# KiCad board Rogelio Pineda - connect 5 AMLDC-2044B.kicad_pcb (continued)
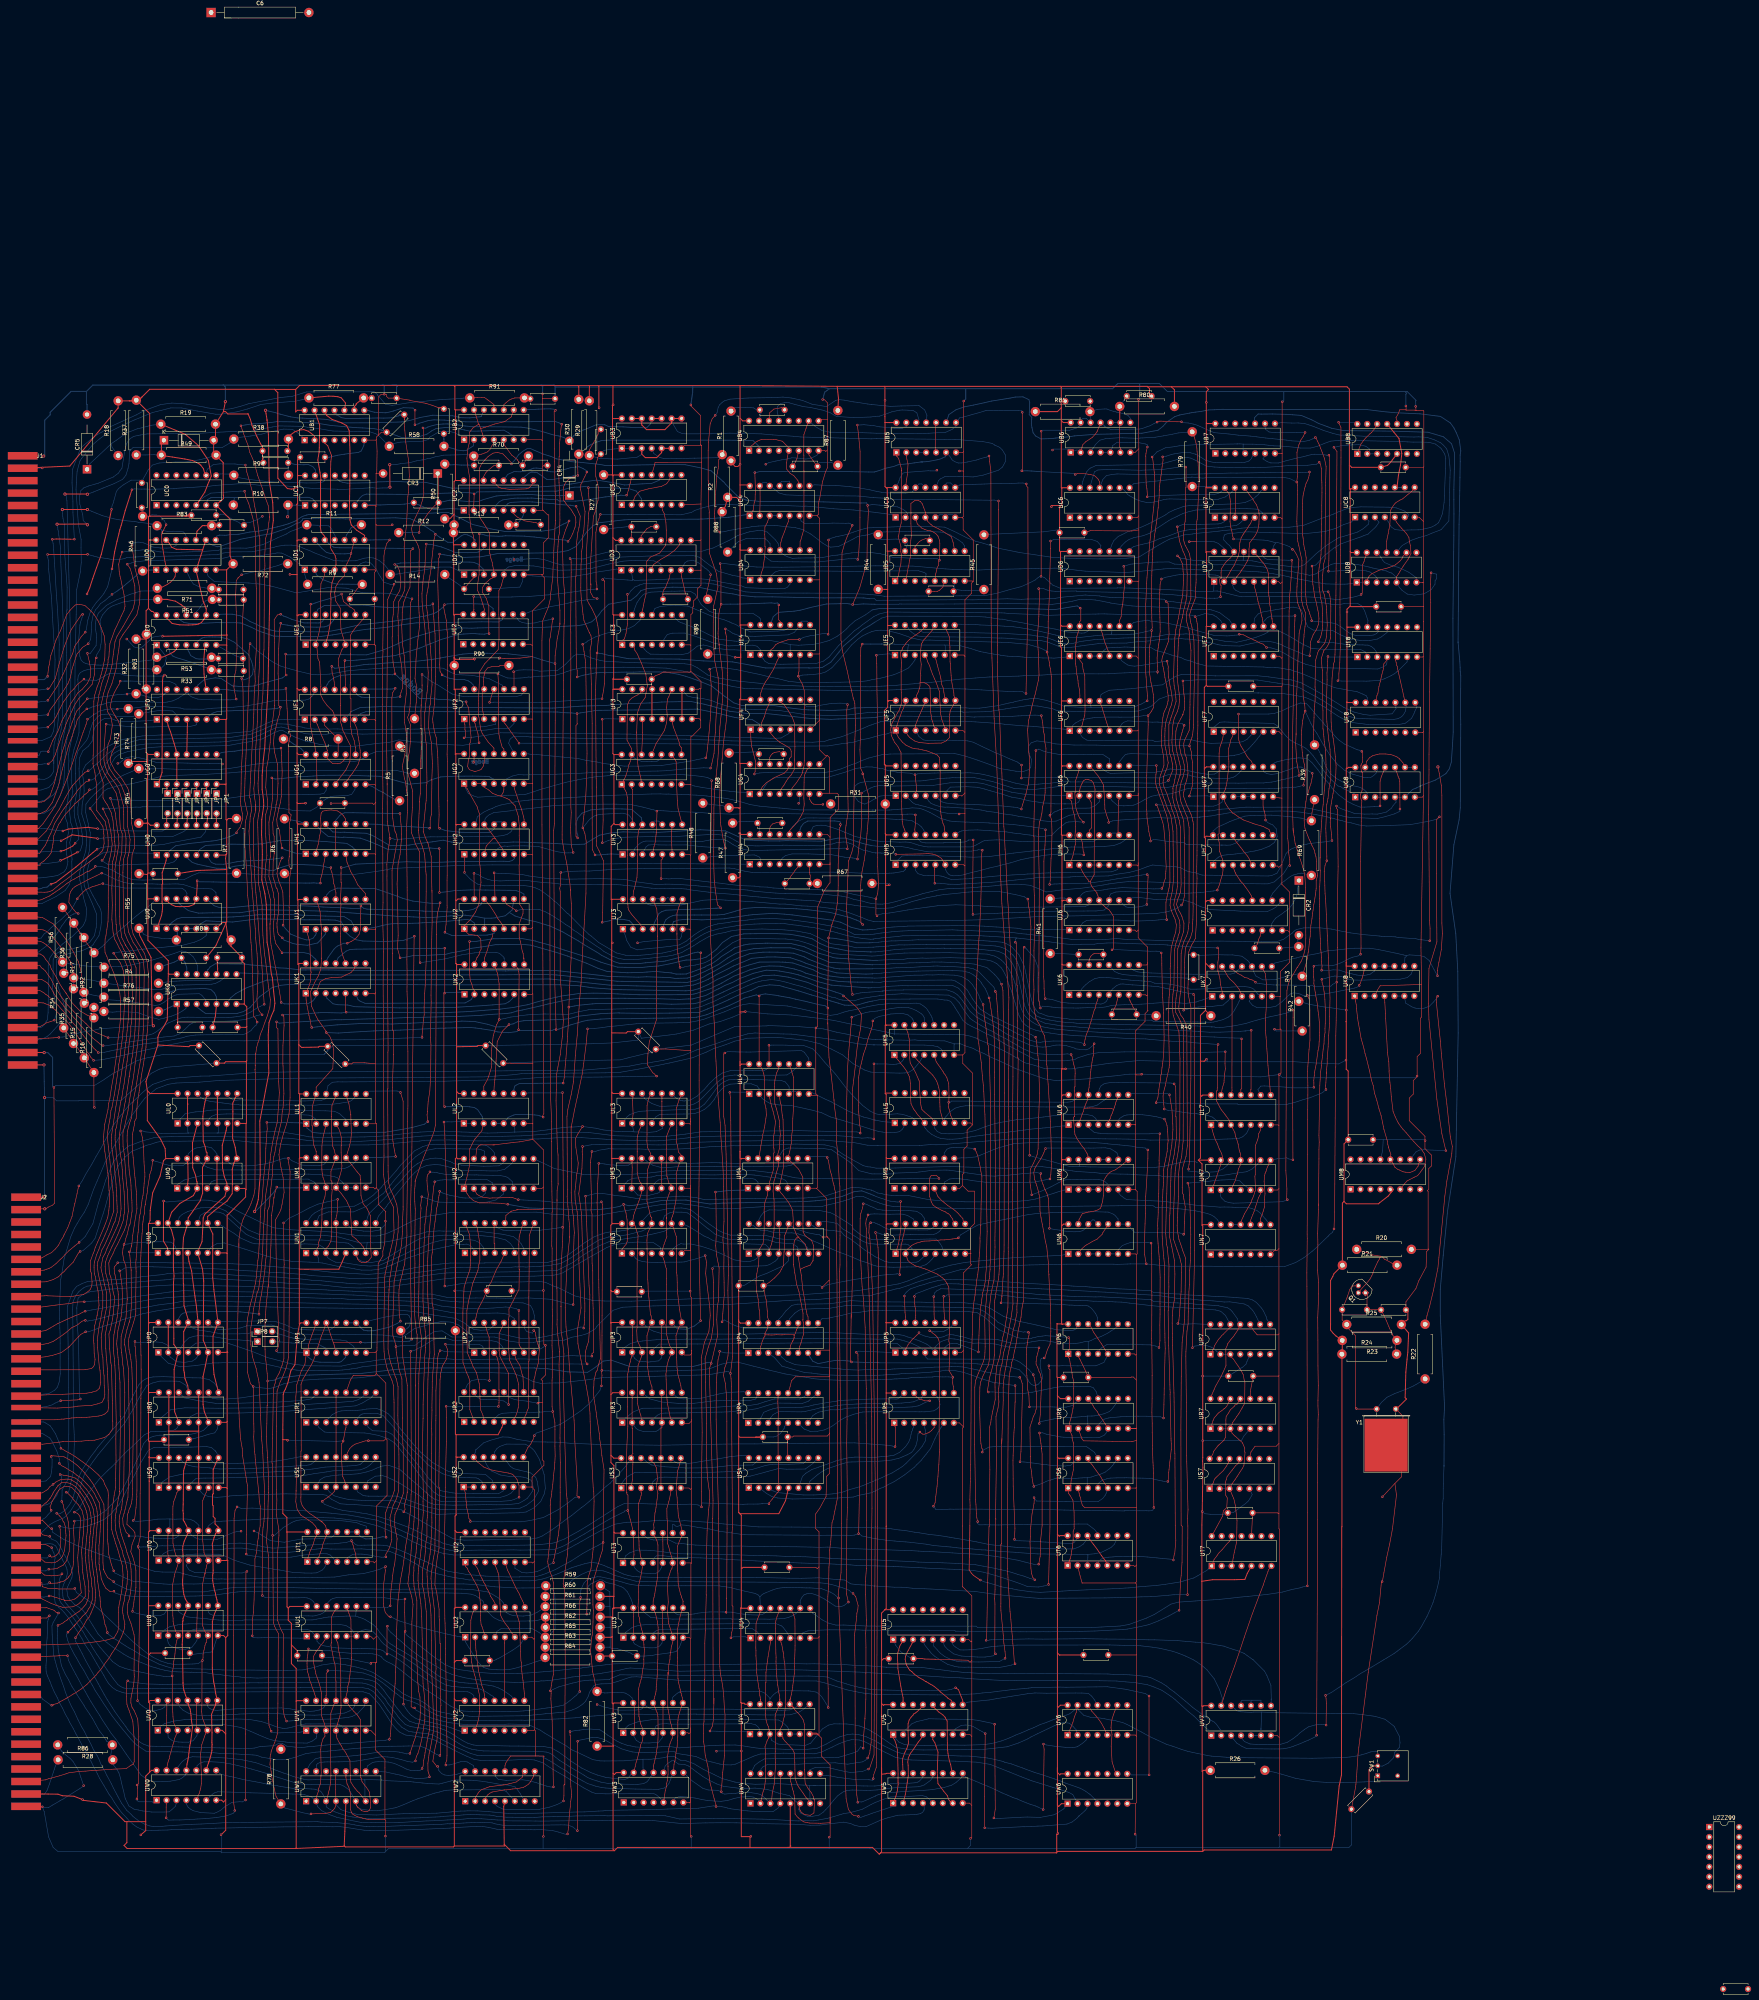
[diagram p0: board, top side]
## Placement (name value [footprint] x y rotation side) (continued)
UL0  74LS38  [DIP-14_W7.62mm]  115.33 220.86 90 top
UL1  74LS197  [DIP-14_W7.62mm]  148.19 220.77 90 top
UL2  74LS37  [DIP-14_W7.62mm]  188.48 220.86 90 top
UL3  74LS38  [DIP-14_W7.62mm]  228.91 220.87 90 top
UL4  74LS197  [DIP-14_W7.62mm]  261.37 228.39 90 top
UL5  9321  [DIP-16_W7.62mm]  298.6 220.98 90 top
UL6  74LS32  [DIP-14_W7.62mm]  342.98 220.53 90 top
UL7  74LS74  [DIP-14_W7.62mm]  379.38 220.48 90 top
UM0  74LS38  [DIP-14_W7.62mm]  115.22 204.26 90 top
UM1  74LS197  [DIP-14_W7.62mm]  148.19 204.47 90 top
UM2  74LS165  [DIP-16_W7.62mm]  188.5 204.21 90 top
UM3  74LS38  [DIP-14_W7.62mm]  228.82 204.3 90 top
UM4  74LS197  [DIP-14_W7.62mm]  261.07 204.3 90 top
UM5  74LS00  [DIP-14_W7.62mm]  298.53 204.28 90 top
UM6  74LS02  [DIP-14_W7.62mm]  342.98 203.98 90 top
UM7  74LS74  [DIP-14_W7.62mm]  379.33 203.85 90 top
UM8  74LS76  [DIP-16_W7.62mm]  415.04 204.04 90 top
UN0  74LS04  [DIP-14_W7.62mm]  110.3 187.79 90 top
UN1  74LS75  [DIP-16_W7.62mm]  148.16 187.75 90 top
UN2  74LS75  [DIP-16_W7.62mm]  188.75 187.78 90 top
UN3  74LS04  [DIP-14_W7.62mm]  228.86 187.65 90 top
UN4  74LS75  [DIP-16_W7.62mm]  261.29 187.6 90 top
UN5  74LS165  [DIP-16_W7.62mm]  298.78 187.58 90 top
UN6  74LS02  [DIP-14_W7.62mm]  342.93 187.53 90 top
UN7  74LS20  [DIP-14_W7.62mm]  379.33 187.38 90 top
UP0  74LS38  [DIP-14_W7.62mm]  110.4 162.39 90 top
UP1  74LS38  [DIP-14_W7.62mm]  148.24 162.3 90 top
UP2  74LS06  [DIP-14_W7.62mm]  191.12 162.3 90 top
UP3  74LS38  [DIP-14_W7.62mm]  228.92 162.4 90 top
UP4  8266  [DIP-16_W7.62mm]  261.18 162.24 90 top
UP5  7425  [DIP-14_W7.62mm]  298.73 162.33 90 top
UP6  74LS74  [DIP-14_W7.62mm]  342.88 162 90 top
UP7  74LS93  [DIP-14_W7.62mm]  379.23 161.9 90 top
UR0  74LS38  [DIP-14_W7.62mm]  110.55 144.52 90 top
UR1  74LS75  [DIP-16_W7.62mm]  148.2 144.51 90 top
UR2  74LS75  [DIP-16_W7.62mm]  188.55 144.62 90 top
UR3  74LS38  [DIP-14_W7.62mm]  228.92 144.46 90 top
UR4  74LS75  [DIP-16_W7.62mm]  261.14 144.37 90 top
UR5  74164  [DIP-14_W7.62mm]  298.43 144.38 90 top
UR6  74LS74  [DIP-14_W7.62mm]  342.93 142.95 90 top
UR7  74LS93  [DIP-14_W7.62mm]  379.23 142.9 90 top
US0  74LS38  [DIP-14_W7.62mm]  110.55 127.85 90 top
US1  74LS75  [DIP-16_W7.62mm]  148.16 128.01 90 top
US2  74164  [DIP-14_W7.62mm]  188.43 128 90 top
US3  74LS38  [DIP-14_W7.62mm]  228.66 127.75 90 top
US4  74LS75  [DIP-16_W7.62mm]  261.28 127.8 90 top
US6  74LS74  [DIP-14_W7.62mm]  342.88 127.73 90 top
US7  74LS93  [DIP-14_W7.62mm]  379.03 127.58 90 top
UT0  74LS38  [DIP-14_W7.62mm]  110.5 109.23 90 top
UT1  74LS38  [DIP-14_W7.62mm]  148.47 108.9 90 top
UT2  7425  [DIP-14_W7.62mm]  188.84 108.8 90 top
UT3  74LS38  [DIP-14_W7.62mm]  229.14 108.61 90 top
UT6  74LS74  [DIP-14_W7.62mm]  342.73 107.96 90 top
UT7  74LS93  [DIP-14_W7.62mm]  379.56 107.83 90 top
UU0  74LS38  [DIP-14_W7.62mm]  110.38 90.07 90 top
UU1  74LS197  [DIP-14_W7.62mm]  148.34 89.89 90 top
UU2  74LS86  [DIP-14_W7.62mm]  188.81 89.64 90 top
UU3  74LS38  [DIP-14_W7.62mm]  229.22 89.52 90 top
UU4  74LS197  [DIP-14_W7.62mm]  261.71 89.42 90 top
UU5  9321  [DIP-16_W7.62mm]  298.16 89.04 90 top
UV0  74LS38  [DIP-14_W7.62mm]  110.25 65.86 90 top
UV1  74LS197  [DIP-14_W7.62mm]  148.17 65.8 90 top
UV2  74LS04  [DIP-14_W7.62mm]  188.68 65.8 90 top
UV3  74LS38  [DIP-14_W7.62mm]  229.2 65.22 90 top
UV4  74LS197  [DIP-14_W7.62mm]  261.58 64.91 90 top
UV5  74LS175  [DIP-16_W7.62mm]  298.16 64.78 90 top
UV6  74LS74  [DIP-14_W7.62mm]  342.73 64.65 90 top
UV7  74LS00  [DIP-14_W7.62mm]  379.44 64.53 90 top
UW0  74LS04  [DIP-14_W7.62mm]  109.94 48.02 90 top
UW1  74LS75  [DIP-16_W7.62mm]  148.17 47.76 90 top
UW2  74LS75  [DIP-16_W7.62mm]  188.81 47.76 90 top
UW3  74LS04  [DIP-14_W7.62mm]  229.32 47.44 90 top
UW4  74LS75  [DIP-16_W7.62mm]  261.71 47.18 90 top
UW5  74LS175  [DIP-16_W7.62mm]  298.16 47.25 90 top
UW6  74LS06N  [DIP-14_W7.62mm]  342.73 47.13 90 top
UZZZ99  74LS00  [DIP-14_W7.62mm]  506.69 41.16 0 top
Y1  Crystal  [Crystal_HC49-U_Horizontal_1EP_style1]  421.69 147.94 0 top

## Library data of the parts
C1-C5 C7-C72 = -: Description: Capacitor Common Entrex Trapezoid
C6 = -: Description: Capacitor Large Polarized for Entrex Trapezoid
CR1 = -: Description: 50V 1A General Purpose Rectifier Diode, DO-41; Sim.Device: D; Sim.Pins: 1=K 2=A
CR2 CR3 = -: Description: 50V 1A General Purpose Rectifier Diode, DO-41; Sim.Device: D; Sim.Pins: 1=K 2=A; Field6: K; Field8: K
CR4 CR5 = -: Description: 50V 1A General Purpose Rectifier Diode, DO-41; Sim.Device: D; Sim.Pins: 1=K 2=A; Field6: K; Field7: K
JP1-JP8 = -: Description: Jumper, 2-pole, open
Q1 = -: Description: Bipolar transistor symbol for simulation only, substrate tied to the emitter; Sim.Device: PNP; Sim.Pins: 1=C 2=B 3=E; Sim.Type: GUMMELPOON
R1-R51 R53-R94 = -: Description: Resistor, US symbol
SW1 = -: Description: Switch, single pole double throw
UB1 UL2 = -: Description: quad 2-input NAND buffer
UB2 UD0-UD2 UD6 UE0 UJ3 UJ6 = -: Description: Triple 3-input NAND
UB3 UC1 UC4 UC8 UE6 UF6 UG7 UH1-UH3 UH6 UK2 UK7 UM5 UV7 UZZZ99 = -: Description: quad 2-input NAND gate
UB4 UC2 UD3 UD5 UG4 UH4 UJ7 UK6 = -: Description: Dual retriggerable Monostable
UB5 UC5 UE4 UG2 UG8 UK8 UM6 UN6 = -: Description: quad 2-input NOR gate
UB6 UG1 UJ0 UL0 UL3 UM0 UM3 UP0 UP1 UP3 UR0 UR3 US0 US3 UT0 UT1 UT3 UU0 UU3 UV0 UV3 = -: Description: Quad Buffer 2-input NAND Open collector
UB7 UG6 UL6 = -: Description: Quad 2-input OR
UB8 UP7 UR7 US7 UT7 = -: Description: Divide by 2 & 8 counter
UC0 UF0 UH0 UN0 UN3 UV2 UW0 UW3 = -: Description: Hex Inverter
UC3 UC6 UC7 UD4 UD7 UD8 UE1-UE3 UF4 UF5 UF7 UG5 UH5 UH7 UJ1 UJ2 UK1 UL7 UM7 UP6 UR6 US6 UT6 UV6 = -: Description: Dual D Flip-flop, Set & Reset
UE5 UE8 UK0 = -: Description: Quad And2
UE7 UP5 UT2 = -: Description: Dual 4-input NOR gates
UF1 = -: Description: Hex inverter schmitt trigger
UF2 UP2 UW6 = -: Description: Inverter Open Collect
UF3 = -: Description: Dual 8-Bit Shift Register
UF8 UN7 = -: Description: Dual 4-input NAND
UG0 = -: Description: 8-input NAND
UG3 UU2 = -: Description: Quad 2-input XOR
UK5 = -: Description: Hex Buffers and Drivers With Open Collector High Voltage Outputs
UL1 UL4 UM1 UM4 UU1 UU4 UV1 UV4 = -: Description: 4 (3+1)-bit presettable binary counter
UL5 UU5 = -: Description: Dual 1-of-4 Decoder
UM2 UN5 = -: Description: Shift Register 8-bit, parallel load
UM8 = -: Description: Dual JK Flip-flop, Set & Reset
UN1 UN2 UN4 UR1 UR2 UR4 US1 US4 UW1 UW2 UW4 = -: Description: 4-bit Latch
UP4 = -: Description: 2-INPUT, 4-BIT DIGITAL MULTIPLEXER
UV5 UW5 = -: Description: 4-bit D Flip-Flop, reset
Y1 = -: Description: Two pin crystal

## Footprints (pads in the part's own frame, mm; a bottom-side part is the same pattern mirrored in y, then rotated)
CAP non-polarized P25.00mm
  rect 2.4x2.4 hole 1.2: 1(0,0)
  oval 2.4x2.4 hole 1.2: 2(25,0)
Crystal_HC49-U_Horizontal_1EP_style1
  round 1.5 hole 0.8: 1(0,0) 2(4.9,0)
  rect 11x13.5 smd: 3(2.45,-9.25)
D_DO-41_SOD81_P12.70mm_Horizontal
  rect 2.2x2.2 hole 1.1: 1(0,0)
  oval 2.2x2.2 hole 1.1: 2(12.7,0)
DG Nova Board Jumper 3.8mm
  rect 1.7x1.7 hole 1: 1(-1.27,0)
  oval 1.7x1.7 hole 1: 2(2.54,0)
DG Nova Board Jumper 5mm
  rect 1.7x1.7 hole 1: 1(-1.27,0)
  oval 1.7x1.7 hole 1: 2(3.81,0)
Diode for Entrex-AMLDC Board
  rect 2.2x2.2 hole 1.1: 1(0,0)
  oval 2.2x2.2 hole 1.1: 2(13.97,0)
DIP-14_W7.62mm
  rect 1.6x1.6 hole 0.8: 1(0,0)
  oval 1.6x1.6 hole 0.8: 2(0,-2.54) 3(0,-5.08) 4(0,-7.62) 5(0,-10.16) 6(0,-12.7) 7(0,-15.24) 8(7.62,-15.24) 9(7.62,-12.7) 10(7.62,-10.16) 11(7.62,-7.62) 12(7.62,-5.08) 13(7.62,-2.54) 14(7.62,0)
DIP-16_W7.62mm
  rect 1.6x1.6 hole 0.8: 1(0,0)
  oval 1.6x1.6 hole 0.8: 2(0,-2.54) 3(0,-5.08) 4(0,-7.62) 5(0,-10.16) 6(0,-12.7) 7(0,-15.24) 8(0,-17.78) 9(7.62,-17.78) 10(7.62,-15.24) 11(7.62,-12.7) 12(7.62,-10.16) 13(7.62,-7.62) 14(7.62,-5.08) 15(7.62,-2.54) 16(7.62,0)
Disc Capacitor Common Entrex Trapezoid
  round 1.6 hole 0.8: 1(-2.54,-0.215) 2(3.81,-0.215)
portA_NovaMod
  rect 7.62x1.905 smd: 1(75.755,75.755) 3(75.755,72.581) 5(75.755,69.406) 7(75.755,66.231) 9(75.755,63.056) 11(75.755,59.88) 13(75.755,56.706) 15(75.755,53.531) 17(75.755,50.355) 19(75.755,47.181) 21(75.755,44.005) 23(75.755,40.831) 25(75.755,37.656) 27(75.755,34.48) 29(75.755,31.305) 31(75.755,28.131) 33(75.755,24.956) 35(75.755,21.78) 37(75.755,18.605) 39(75.755,15.431) 41(75.755,12.255) 43(75.755,9.081) 45(75.755,5.905) 51(75.755,-3.619) 53(75.755,-6.795) 55(75.755,-9.97) 57(75.755,-13.145) 59(75.755,-16.32) 61(75.755,-19.494) 63(75.755,-22.669) 65(75.755,-25.845) 67(75.755,-29.02) 69(75.755,-32.194) 71(75.755,-35.37) 73(75.755,-38.544) 75(75.755,-41.719) 77(75.755,-44.895) 79(75.755,-48.069) 81(75.755,-51.245) 83(75.755,-54.419) 85(75.755,-57.594) 87(75.755,-60.77) 89(75.755,-63.944) 91(75.755,-67.12) 93(75.755,-70.294) 95(75.755,-73.469) 97(75.755,-76.644) 99(75.755,-79.82)
  rect 7.62x1.905 smd far side: 2(75.755,75.755) 4(75.755,72.581) 6(75.755,69.406) 8(75.755,66.231) 10(75.755,63.056) 12(75.755,59.88) 14(75.755,56.706) 16(75.755,53.531) 18(75.755,50.355) 20(75.755,47.181) 22(75.755,44.005) 24(75.755,40.831) 26(75.755,37.656) 28(75.755,34.48) 30(75.755,31.305) 32(75.755,28.131) 34(75.755,24.956) 36(75.755,21.78) 38(75.755,18.605) 40(75.755,15.431) 42(75.755,12.255) 44(75.755,9.081) 46(75.755,5.905) 52(75.755,-3.619) 54(75.755,-6.795) 56(75.755,-9.97) 58(75.755,-13.145) 60(75.755,-16.32) 62(75.755,-19.494) 64(75.755,-22.669) 66(75.755,-25.845) 68(75.755,-29.02) 70(75.755,-32.194) 72(75.755,-35.37) 74(75.755,-38.544) 76(75.755,-41.719) 78(75.755,-44.895) 80(75.755,-48.069) 82(75.755,-51.245) 84(75.755,-54.419) 86(75.755,-57.594) 88(75.755,-60.77) 90(75.755,-63.944) 92(75.755,-67.12) 94(75.755,-70.294) 96(75.755,-73.469) 98(75.755,-76.644) 100(75.755,-79.82)
  rect 7.62x1.397 smd: 47(75.755,2.985) 49(75.755,-0.699)
  rect 7.62x1.397 smd far side: 48(75.755,2.985) 50(75.755,-0.699)
portB_NovaMod
  rect 7.62x1.905 smd: 1(73.343,75.248) 3(73.343,72.073) 5(73.343,68.897) 7(73.343,65.722) 9(73.343,62.547) 11(73.343,59.373) 13(73.343,56.197) 15(73.343,53.023) 17(73.343,49.847) 19(73.343,46.672) 21(73.343,43.498) 23(73.343,40.322) 25(73.343,37.148) 27(73.343,33.972) 29(73.343,30.797) 31(73.343,27.622) 33(73.343,24.448) 39(73.343,14.922) 41(73.343,11.748) 43(73.343,8.572) 45(73.343,5.397) 47(73.343,2.223) 49(73.343,-0.953) 51(73.343,-4.128) 53(73.343,-7.303) 55(73.343,-10.477) 57(73.343,-13.652) 59(73.343,-16.828) 61(73.343,-20.003) 63(73.343,-23.177) 65(73.343,-26.352) 67(73.343,-29.527) 69(73.343,-32.703) 71(73.343,-35.877) 73(73.343,-39.053) 75(73.343,-42.227) 77(73.343,-45.403) 79(73.343,-48.578) 81(73.343,-51.752) 83(73.343,-54.928) 85(73.343,-58.102) 87(73.343,-61.278) 89(73.343,-64.453) 91(73.343,-67.627) 93(73.343,-70.802) 95(73.343,-73.978) 97(73.343,-77.153) 99(73.343,-80.328)
  rect 7.62x1.905 smd far side: 2(73.343,75.248) 4(73.343,72.073) 6(73.343,68.897) 8(73.343,65.722) 10(73.343,62.547) 12(73.343,59.373) 14(73.343,56.197) 16(73.343,53.023) 18(73.343,49.847) 20(73.343,46.672) 22(73.343,43.498) 24(73.343,40.322) 26(73.343,37.148) 28(73.343,33.972) 30(73.343,30.797) 32(73.343,27.622) 34(73.343,24.448) 40(73.343,14.922) 42(73.343,11.748) 44(73.343,8.572) 46(73.343,5.397) 48(73.343,2.223) 50(73.343,-0.953) 52(73.343,-4.128) 54(73.343,-7.303) 56(73.343,-10.477) 58(73.343,-13.652) 60(73.343,-16.828) 62(73.343,-20.003) 64(73.343,-23.177) 66(73.343,-26.352) 68(73.343,-29.527) 70(73.343,-32.703) 72(73.343,-35.877) 74(73.343,-39.053) 76(73.343,-42.227) 78(73.343,-45.403) 80(73.343,-48.578) 82(73.343,-51.752) 84(73.343,-54.928) 86(73.343,-58.102) 88(73.343,-61.278) 90(73.343,-64.453) 92(73.343,-67.627) 94(73.343,-70.802) 96(73.343,-73.978) 98(73.343,-77.153) 100(73.343,-80.328)
  rect 7.62x1.397 smd: 35(73.343,21.526) 37(73.343,17.843)
  rect 7.62x1.397 smd far side: 36(73.343,21.526) 38(73.343,17.843)
R_Axial_DIN0411_L9.9mm_D3.6mm_P12.70mm_Horizontal
  round 2.4 hole 1.2: 1(0,0)
  oval 2.4x2.4 hole 1.2: 2(12.7,0)
Resistor for Entrex-AMLDC Board
  round 2.4 hole 1.2: 1(0,0)
  oval 2.4x2.4 hole 1.2: 2(13.97,0)
Resistor for Entrex-AMLDC Board#2
  round 2.4 hole 1.2: 1(0,0)
  oval 2.4x2.4 hole 1.2: 2(14.605,0)
SW_Lever_1P2T_NKK_GW12LxH
  round 1.2 hole 0.6: (0,-5.08) (5.08,-5.08) 2(2.54,0) 3(5.08,0)
  rect 1.2x1.2 hole 0.6: 1(0,0)
TO-92
  rect 1.3x1.3 hole 0.75: 1(0,0)
  round 1.3 hole 0.75: 2(1.27,1.27) 3(2.54,0)

## Nets
+5V: C5.2 C7.1 C10.2 C17.2 C18.2 C19.2 C22.2 C23.2 C26.1 C32.2 C33.2 C34.2 C35.2 C36.2 C37.2 C38.2 C39.2 C46.1 C51.2 C52.2 C53.2 C54.2 C55.1 C63.1 C65.1 C66.2 C67.1 C68.2 C69.1 C70.1 J1.3 J1.4 J1.97 J1.98 J2.3 J2.4 J2.97 J2.98 R1.1 R2.1 R6.2 R8.1 R12.2 R13.1 R17.2 R18.2 R21.1 R23.2 R24.1 R26.1 R27.2 R29.2 R30.2 R31.2 R32.2 R36.2 R37.2 R39.1 R40.1 R41.2 R43.1 R44.1 R45.2 R47.1 R48.2 R50.1 R54.1 R55.2 R56.2 R60.2 R64.2 R65.2 R66.2 R67.2 R68.1 R69.2 R73.1 R79.1 R80.2 R81.1 R82.1 R85.2 R86.1 R87.2 R88.2 R89.1 R90.1 R92.2 R93.1 R93.2 UB1.14 UB2.14 UB3.14 UB4.16 UB5.14 UB6.14 UB7.14 UB8.5 UC1.14 UC2.16 UC3.14 UC4.14 UC5.14 UC6.14 UC7.14 UC8.14 UD0.14 UD1.14 UD2.14 UD3.16 UD4.14 UD5.16 UD6.14 UD7.14 UD8.14 UE0.14 UE1.14 UE2.14 UE3.14 UE4.14 UE5.14 UE6.14 UE7.14 UE8.14 UF1.14 UF2.14 UF3.16 UF4.14 UF5.14 UF6.14 UF8.14 UG0.14 UG1.14 UG2.14 UG3.14 UG4.16 UG5.14 UG6.14 UG7.14 UG8.14 UH0.14 UH1.14 UH2.14 UH3.14 UH4.16 UH5.14 UH6.14 UH7.14 UJ0.14 UJ1.14 UJ2.14 UJ3.14 UJ6.14 UJ7.16 UK0.14 UK1.14 UK2.14 UK5.14 UK6.16 UK7.14 UK8.14 UL0.14 UL1.14 UL2.14 UL3.14 UL4.14 UL5.16 UL6.14 UL7.14 UM0.14 UM1.14 UM2.16 UM3.14 UM4.14 UM5.14 UM6.14 UM7.14 UM8.5 UN0.14 UN1.5 UN2.5 UN3.14 UN4.5 UN5.16 UN6.14 UN7.14 UP0.14 UP1.14 UP2.14 UP3.14 UP4.16 UP5.14 UP6.14 UP7.5 UR0.14 UR1.5 UR2.5 UR3.14 UR4.5 UR5.14 UR6.14 UR7.5 US0.14 US1.5 US2.14 US3.14 US4.5 US6.14 US7.5 UT0.14 UT1.14 UT2.14 UT3.14 UT6.14 UT7.5 UU0.14 UU1.14 UU2.14 UU3.14 UU4.14 UU5.16 UV0.14 UV1.14 UV2.14 UV3.14 UV4.14 UV5.2 UV5.16 UV6.14 UV7.14 UW0.14 UW1.5 UW2.5 UW3.14 UW4.5 UW5.16 UW6.1 UW6.14
+VINH: J1.10 J2.84
-5V: J1.6 J2.81
/V5p5: UV5.5 UW5.7
GND: C1.2 C2.1 C3.2 C8.1 C10.1 C13.2 C16.2 C17.1 C18.1 C19.1 C20.1 C21.2 C22.1 C23.1 C26.2 C28.1 C30.2 C31.1 C32.1 C33.1 C34.1 C35.1 C36.1 C37.1 C38.1 C39.1 C43.2 C44.2 C45.1 C46.2 C51.1 C52.1 C53.1 C54.1 C55.2 C58.2 C59.2 C60.2 C61.2 C62.2 C63.2 C64.2 C65.2 C66.1 C67.2 C68.1 C69.2 C70.2 C71.2 C72.2 CR1.2 CR3.2 CR5.2 J1.1 J1.2 J1.33 J1.34 J1.99 J1.100 J2.1 J2.2 J2.50 J2.99 J2.100 R5.1 R7.2 R15.1 R16.1 R19.2 R20.2 R25.2 R28.2 R34.1 R35.1 R42.1 R49.2 R59.2 R61.2 R62.2 R63.2 R72.2 R84.2 UB1.7 UB2.7 UB3.7 UB4.8 UB4.9 UB5.7 UB6.7 UB7.7 UB8.10 UC0.7 UC1.7 UC2.1 UC2.8 UC3.7 UC3.11 UC4.7 UC5.5 UC5.6 UC5.7 UC6.7 UC7.7 UC8.7 UD0.7 UD1.7 UD2.7 UD3.1 UD3.8 UD3.9 UD4.7 UD5.8 UD6.7 UD7.7 UD8.7 UD8.12 UE0.7 UE1.7 UE2.7 UE3.7 UE4.7 UE5.7 UE6.7 UE7.7 UE8.7 UF0.7 UF1.7 UF2.7 UF3.4 UF3.8 UF3.9 UF3.13 UF4.7 UF5.7 UF6.7 UF7.7 UF8.7 UG0.7 UG1.7 UG2.7 UG3.7 UG4.1 UG4.8 UG4.9 UG5.2 UG5.7 UG6.7 UG7.7 UG8.7 UH0.7 UH1.7 UH2.7 UH3.7 UH4.8 UH4.9 UH5.7 UH6.7 UH7.7 UJ0.7 UJ1.7 UJ2.2 UJ2.7 UJ3.7 UJ6.7 UJ7.8 UK0.7 UK1.7 UK2.7 UK5.7 UK6.8 UK6.9 UK7.7 UK8.2 UK8.3 UL0.7 UL1.7 UL2.7 UL3.7 UL4.7 UL5.1 UL5.8 UL6.7 UL7.7 UM0.7 UM1.7 UM2.8 UM2.15 UM3.7 UM4.7 UM5.7 UM6.7 UM7.7 UM8.13 UN0.7 UN1.12 UN2.12 UN3.7 UN4.12 UN5.8 UN5.15 UN6.7 UN7.7 UP0.7 UP1.7 UP2.7 UP3.7 UP4.2 UP4.5 UP4.8 UP4.11 UP4.14 UP5.7 UP6.2 UP6.7 UP7.10 UR0.7 UR1.12 UR2.12 UR3.7 UR4.12 UR5.7 UR6.2 UR7.10 US0.7 US1.12 US2.7 US3.7 US4.12 US6.2 US6.7 US7.10 UT0.7 UT1.7 UT2.7 UT3.7 UT6.2 UT6.7 UT7.10 UU0.7 UU1.7 UU2.7 UU3.7 UU4.7 UU5.1 UU5.8 UV0.7 UV1.7 UV2.7 UV3.7 UV4.7 UV5.8 UV6.7 UV7.7 UW0.7 UW1.12 UW2.12 UW3.7 UW4.12 UW5.8 UW6.7 Y1.2
V0p1: UV0.1 UV1.5 UV1.6
V0p4: UV0.4 UV1.2
V0p9: UV0.9 UV1.12 UV4.8
V0p12: UV0.12 UV1.9
V2p3: UV2.3
V2p4: UV2.4
V2p5: UV2.5
V2p6: UV2.6
V3p1: UV3.1 UV4.5 UV4.6
V3p4: UV3.4 UV4.2
V3p9: UM4.8 UV3.9 UV4.12
V3p12: UV3.12 UV4.9
V5p3: UV5.3
V5p4: UV5.4 UW5.2
V5p6: UV5.6
V5p7: UV5.7 UW6.3
V5p11: UV5.11
V5p12: UV5.12 UW5.10
V5p13: UV5.13 UW5.15
V5p14: UV5.14
V6p4: UV6.4
V6p6: UV6.6
V6p8: UV6.8
V6p9: UV6.9 UW6.9
V6p10: UV6.10
V6p12: UV6.5 UV6.12
V7p3: UK8.8 UV7.3
V7p11: UV7.9 UV7.10 UV7.11
V7p12: C21.1 SW1.2 UV7.5 UV7.6 UV7.12
-5 REMOTE: J2.6
/C14p2: C14.2
/C29p1: C29.1 R50.2
/C47p1: C47.1 CR2.2 R43.2
/E0p4: C60.1 R53.1 UE0.4
/M3p4: UM3.4 UM4.2
/M3p9: UM3.9 UM4.12
/P6p13: UP4.13 UP6.13
/Pad6p6: UG4.6
/Pad14p14: C12.2 UG4.14
/Pad15p15: C12.1 R68.2 UG4.15
/R6p13: UP4.12 UR6.13
/R50P2: C28.2 CR3.1 CR4.1 R12.1
/R78p2: R78.2
/S6p13: UP4.4 US6.13
/U3p12: UK5.11 UU3.12 UU4.9
/UG4A: UG4.7
A77: J1.77 R4.1 R35.2 R36.1 UK0.9
B1p2: C45.2 R38.2 UB1.2
B1p4: UB1.4
B1p5: UB1.5
B1p6: UB1.6
B1p9: C16.1 R77.2 UB1.9
B1p11: C2.2 UB1.11 UF1.9
B1p12: UB1.12 UD1.8 UT1.9 UT1.10
B1p13: UB1.13 UD1.12 UP1.9 UP1.10
B2p2: C3.1 R58.2 UB2.2
B2p5: C13.1 R70.2 UB2.5
B2p6: UB2.6 UT1.4
B2p8: UB2.8 UL2.4 UL2.5
B2p10: C30.1 R91.2 UB2.10
B2p13: UB2.3 UB2.9 UB2.13
B3p4: R2.2 UB3.4 UD5.9
B3p6: R29.1 UB3.3 UB3.5 UB3.6
B3p8: UB3.8 UB3.9 UB3.12 UB3.13 UC5.10
B3p10: CR4.2 R3.2 UB3.10 UB3.11
B4p1: UB4.1 UB4.5 UC4.9
B4p3: UB4.3
B4p4: UB4.4
B4p6: C42.1 UB4.6
B4p7: C42.2 R87.1 UB4.7
B4p10: UB4.10 UB5.8 UC6.11 UD4.9 UE8.12
B4p11: UB4.11
B4p12: UB4.12
B4p13: UB4.13 UB5.12
B4p14: C41.2 UB4.14
B4p15: C41.1 R1.2 UB4.15
B5p1: UB5.1 UD5.1
B5p2: UB5.2 UC5.13
B5p3: UB5.3 UB5.4
B5p9: UB5.9 UV7.4
B6p4: UB6.4 UB6.5 UC7.13 UD7.8 UG5.1
B6p6: C7.2 R80.1 UB6.6 UB6.9 UB6.10
B6p11: R39.2 UB6.1 UB6.2 UB6.11 UG8.2
B7p1: UB7.1
B7p2: UB7.2
B7p3: UB7.3
B7p6: UB7.6 UD8.3
B7p8: UB7.8 UD8.10
B7p9: UB7.9 UC6.8 UG6.5 UG8.12
B7p11: UB7.11
B7p12: UB7.12
B7p13: UB7.13
B8p8: UB8.8
B8p9: UB8.9
B8p12: UB8.1 UB8.12
B51: J2.51 UP2.2
B52: J2.52 UW6.8
BOT: J2.53 R63.1 R64.1 UU2.1
C0p1: UC0.1
C0p2: UC0.2
C0p3: UC0.3
C0p4: UC0.4
C0p6: R10.1 UC0.6 UC1.2
C0p8: R94.1 UC0.8 UC1.12
C0p10: UC0.10
C0p11: UC0.11
C0p12: UC0.12
C0p13: UC0.13
C1p3: UC1.3
C1p4: UC1.4
C1p5: UC1.5
C1p6: UC1.6 UC2.2 UC3.3 UE6.12 UJ3.2
C1p8: UC1.8
C1p9: UC1.9
C1p10: UC1.10
C1p11: UC1.11 UC3.10
C1p13: C31.2 R94.2 UC1.13
C2p3: UC2.3
C2p4: UC2.4 UC3.13
C2p5: UB7.4 UC2.5 UC8.4 UF6.12
C2p6: C15.2 UC2.6
C2p7: C15.1 R13.2 UC2.7
C2p10: R30.1 UB4.2 UC2.10 UE2.12
C2p11: UC2.11
C2p12: UC2.12 UH3.1
C2p13: UC2.9 UC2.13
C2p14: C29.2 UC2.14
C2p15: UC2.15
C3p1: UC3.1
C3p4: UC3.4
C3p5: UC3.5 UE3.12 UG3.2 UH3.13 US2.1 US2.2
C3p6: UC3.6
C3p8: UC3.8
C3p9: UC3.2 UC3.9
C3p12: UC3.12
C4p1: UB5.6 UC4.1 UF2.13 UV7.8
C4p3: UC4.3 UC4.4 UD4.2
C4p6: UC4.6 UL6.2 UL6.5 UL6.9 UL6.12
C4p8: UC4.8 UC5.11 UC5.12
C4p11: UC4.10 UC4.11
C4p13: UC4.2 UC4.12 UC4.13 UU5.6
C5p4: UC5.4 UD5.2 UD5.10
C6p1: UC6.1
C6p2: UC6.2
C6p3: UC6.3
C6p4: UC6.4
C6p5: UC6.5
C6p6: UC6.6
C6p9: UC6.9 UC7.3 UC7.12
C6p10: UC6.10
C6p12: UC6.12 UK7.3 UL7.12
C6p13: UC6.13 UE8.3
C7p1: UC7.1
C7p8: UC7.8
C7p10: UC7.10
C7p11: UC7.11 UD7.3 UK8.10 UK8.11 UK8.12
C8p8: UC8.8 UD8.11
C8p10: UB8.11 UC8.9 UC8.10
C8p11: UC8.11
C8p12: UC8.12
C8p13: UC8.13
CLEAR: UB5.11 UG2.2 UG2.3 UG2.5 UK2.8
CLR: J1.50 R71.2 UD0.3
D0p2: C1.1 R46.2 UD0.2
D0p4: C58.1 R71.1 UD0.4
D0p6: UD0.6 UK2.10
D0p8: UD0.8 UL2.9 UM6.9 UP4.7
D0p9: UD0.5 UD0.9 UD0.13 UD2.13 UE0.9 UE0.13 UH1.8
D0p10: C20.2 R83.2 UD0.10
D1p2: C43.1 R9.2 UD1.2
D1p10: R11.2 UD1.10
D1p13: UD1.5 UD1.9 UD1.13 UE1.5 UG1.4
D2p2: C44.1 R14.2 UD2.2
D2p5: UD2.5 UD3.5 UG2.11
D2p6: UD2.6
D2p8: UD2.8
D2p9: UD2.9
D2p10: UD2.10
D2p11: UD2.11
D3p3: UD3.3
D3p6: C27.1 UD3.6
D3p7: C27.2 R89.2 UD3.7
D3p10: UD3.4 UD3.10
D3p11: UD3.11
D3p12: UD3.12
D3p13: UD3.13
D3p14: C25.2 UD3.14
D3p15: C25.1 R27.1 UD3.15
D4p1: UD4.1 UG2.13
D4p3: UD4.3 UD5.4
D4p4: UD4.4
D4p6: UD4.6
D4p10: UD4.10
D4p12: R88.1 UD4.12
D4p13: UB5.13 UD4.13
D5p3: UD5.3
D5p6: C24.2 UD5.6
D5p7: C24.1 R45.1 UD5.7
D5p11: UD5.11
D5p12: UD5.12
D5p13: UD5.13
D5p14: C40.1 UD5.14
D5p15: C40.2 R44.2 UD5.15
D6p1: UD6.1
D6p2: UD6.2
D6p3: UD6.3
D6p4: UD6.4
D6p5: UD6.5
D6p6: UD6.6
D6p8: UC7.4 UD6.8
D6p9: UC7.6 UD6.9
D6p10: UC7.9 UD6.10
D6p12: UD6.12
D6p13: UD6.13
D7p4: UD7.4
D7p5: UD7.5 UE7.9 UM7.2
D7p6: UD7.6
D7p9: UD7.9 UJ2.11
D8p4: UD8.4
D8p6: UD8.6
D8p8: UD8.8
DATA0: UL4.11 UM4.11 UN3.8 UN4.3 UN6.11 UN6.12
DATA1: UL4.3 UM4.3 UN3.6 UN4.2 UP4.15
DATA2: UL4.10 UM4.10 UN3.10 UN4.6 UP4.10
DATA3: UL4.4 UM4.4 UN3.12 UN4.7 UP4.6
DATA4: UP4.1 UU4.11 UV4.11 UW3.8 UW4.3
DATA5: UU4.3 UV4.3 UV6.2 UW3.6 UW4.2
DATA6: UU4.10 UV4.10 UW3.10 UW4.6 UW5.12
DATA7: UJ1.12 UU4.4 UV4.4 UW3.12 UW4.7 UW5.13
DATA8: UU1.11 UV1.11 UW0.8 UW1.3 UW5.5
DATA9: UU1.3 UV1.3 UW0.6 UW1.2 UW5.4
DATA10: UU1.10 UV1.10 UW0.10 UW1.6 UW2.6
DATA11: UU1.4 UV1.4 UW0.12 UW1.7 UW2.7
DATA12: UL1.11 UM1.11 UN0.8 UN1.3 UN2.3
DATA13: UL1.3 UM1.3 UN0.6 UN1.2 UN2.2
DATA14: UL1.10 UM1.10 UN0.10 UN1.6 UN2.6
DATA15: UL1.4 UM1.4 UN0.12 UN1.7 UN2.7
DATA_IN_A: UP3.2 UP3.5 UP3.10 UP3.13 UT3.2 UT3.5 UT3.10 UT3.13 UW0.2
DATA_IN_B: R82.2 UM0.2 UM0.5 UM0.10 UM0.13 UM3.2 UM3.5 UM3.10 UM3.13 UT1.6 UV0.2 UV0.5 UV0.10 UV0.13 UV3.2 UV3.5 UV3.10 UV3.13
DATA_OUT_A: UL2.8 UN2.4 UN2.13 UV6.3 UW2.4 UW5.9
DATA_OUT_B: UB2.12 UM1.1 UM4.1 UV1.1 UV4.1
DATA_OUT_C: UD2.12 UL1.1 UL4.1 UU1.1 UU4.1
DATIA: J1.44 R46.1 UD0.1
DATIB: J1.42 R70.1 UB2.4
DATIC: J1.54 R91.1 UB2.11
DATOA: J1.58 R83.1 UD0.11
DATOB: J1.56 R58.1 UB2.1
DATOC: J1.48 R14.1 UD2.1
DCHA: UB1.3 UD1.4 UE1.3
DCHI: J2.37 R9.1 UD1.1
DCHO: J2.33 R11.1 UD1.11
DISK0: J1.69
DISK0 ACT: J1.61 R73.2 UF1.13
DISK1: CR5.1 J1.85 R18.1 R19.1 UC0.5
DISK2: J1.81 R16.2 R57.1 R92.1 UK0.2
DISK NEW REQ: J1.59 R72.1 UF0.11
DISK PRES REQ: J1.57 R32.1 UF0.13
DISK WR DATA: J1.63 J1.71 R3.1 UF2.4
DSK SEL: J1.67 UF2.2
DSK ~{RST}: J1.75 R15.2 R17.1 R76.1 UK0.4
E0p2: C61.1 R33.1 UE0.2
E0p6: UE0.6 UF0.9
E0p8: UE0.8 UE2.11 UJ2.4 UK2.12
E0p10: C59.1 R51.1 UE0.10
E0p12: UE0.12 UE2.10
E1p1: UE1.1
E1p4: UE1.4
E1p6: UE1.6
E1p8: UE1.8 UG1.9
E1p10: UE1.10
E1p12: UE1.12 UK1.2 UK1.9
E1p13: UE1.13 UH2.10 UH2.11
E2p1: UE2.1
E2p2: UE2.2
E2p3: UE2.3
E2p4: UE2.4
E2p5: UE2.5
E2p6: UE2.6
E2p8: C14.1 UB3.1 UB3.2 UE2.8
E2p9: UE2.9 UR2.4 UV5.9 UV6.11 UW2.13
E2p13: UC5.1 UE2.13
E3p1: C5.1 R81.2 UB6.8 UB6.12 UB6.13 UD7.1 UD8.13 UE3.1
E3p2: UE3.2 UG3.3
E3p3: UE3.3 UE4.1
E3p5: UE3.5 UE4.2 UE7.13 UM7.12
E3p6: UE3.6
E3p8: UE3.8
E3p9: UE3.9 UE4.5 UE6.13 UF6.13
E3p10: UE3.10
E3p11: UE3.11 UE4.10
E3p13: UE3.13 UE4.13
E4p3: UC8.6 UE4.3
E4p4: UE4.4 UF4.13
E4p6: UD6.11 UE4.6 UG4.5 UG6.4 UJ6.9
E5p4: UE5.4 UF5.6
E5p9: UE5.9 UF5.2 UF5.8
E5p10: UE5.10 UF5.5 UF5.12
E5p11: UE5.11 UH5.13
E5p12: UD7.10 UE5.12 UE7.8 UE8.2
E5p13: UC8.3 UE5.13
E6p2: UE6.2 UF6.2 UF7.5
E6p3: UE6.3 UE6.4 UF8.13
E6p6: UE6.6 UP7.14
E6p8: UE6.8 UE8.4 UF8.12
E6p9: UC8.5 UD8.5 UE6.9 UJ3.1
E6p11: UE6.5 UE6.11
E7p1: UE7.1
E7p2: UE7.2
E7p4: UE7.4
E7p5: UE7.5
E7p6: UE7.6
E7p10: UE7.10 UE8.11
E8p6: UB8.14 UE8.6
E8p8: UE8.8
E8p9: UE8.9
E8p10: UE8.10
EOT: J2.48 R60.1 R61.1 UU2.10
F0p2: UF0.2 UG0.3 UG0.12
F0p4: UF0.4 UG0.11
F0p8: UF0.8 UP1.1 UP1.5 UP1.13 UT1.1 UT1.13
F0p10: UE8.13 UF0.10 UL7.2
F0p12: UF0.12 UN0.1 UT0.12
F1p2: UF1.2 UG1.10 UG1.12
F1p3: R8.2 UF1.3 UG1.11
F1p6: UF1.6 UF4.2 UF4.12 UG1.5 UH3.12 UJ3.13
F1p12: UD2.3 UF1.12 UG2.12
F2p1: UF2.1 UF4.5
F2p3: R90.2 UF2.3 UF2.12
F2p5: UF2.5 UF5.1 UF5.13 UH5.9
F2p9: UC7.5 UD7.2 UF2.9
F2p11: UD3.2 UD4.5 UF2.11
F3p1: UF3.1 UH5.6 UH6.13
F3p2: UF3.2
F3p5: UF3.5
F3p10: UF3.7 UF3.10 UF8.8
F3p12: UF3.12
F3p15: UF3.15
F4p1: R79.2 UB6.3 UD7.13 UF4.1 UG7.1
F4p3: UC8.2 UD7.11 UF4.3 UG4.2 UG4.12 UG5.3
F4p4: UF4.4
F4p6: UF4.6
F4p8: UF4.8
F4p10: UF4.10
F4p11: UF4.11 UG4.4
F5p4: UF5.4
F5p9: UE5.5 UF5.9
F5p10: UF5.10
F5p11: UF5.3 UF5.11 UG7.11
F6p3: UF6.3 UF6.4
F6p8: UF6.8
F6p9: UF6.9
F6p10: UF6.10
F6p11: UF6.5 UF6.11 UF8.10
F7p1: UF7.1 UG8.1
F7p3: UF7.3 UH7.8
F7p4: UF7.4
F7p8: UF7.8
F7p9: UF7.9
F7p10: UF7.10
F7p11: UF7.11
F7p12: UF7.12
F7p13: UF7.13
F8p1: UF8.1
F8p2: UF8.2
F8p4: UF8.4
F8p5: UF8.5
F8p6: UF8.6
G0p2: JP6.1 UG0.2
G0p4: UG0.4
G0p5: JP3.1 UG0.5
G0p6: JP2.1 UG0.6
G0p8: UG0.8 UH1.1 UH1.2 UH1.9 UH1.10
G1p1: UG1.1
G2p1: UG2.1 UJ2.1 UK2.13 UP4.9 UP6.1 UR6.1 US6.1 UT6.1
G2p4: UG2.4 UK1.13
G2p6: UG2.6 UH2.8
G2p8: UE5.3 UG2.8
G2p9: UB7.5 UE5.8 UE6.10 UF6.1 UG2.9 UH7.11
G2p10: UC5.8 UC5.9 UG2.10
G3p4: UG3.4
G3p5: UG3.5
G3p6: UG3.6
G3p8: UF3.6 UG3.8
G3p9: UG3.9 UH3.8
G3p11: UF3.11 UG3.11
G3p12: UF3.3 UG3.12
G5p4: UG5.4 UG8.10
G5p5: UC8.1 UD7.12 UG5.5
G5p6: UE8.1 UG5.6 UG6.2 UH6.2 UJ6.11
G5p9: UG5.9
G5p10: UG5.10
G5p11: UG5.11
G5p12: UG5.12
G5p13: UG5.8
G6p1: UH6.1
G6p3: UG6.3 UH6.12
G6p6: UG6.6 UH6.9 UH6.10
G6p8: UG6.8 UJ6.2
G6p9: UF7.6 UG6.9
G6p10: UG6.10 UM5.6
G6p11: UG6.11 UG7.12 UG7.13
G6p12: UG6.12 UM8.10
G7p3: UG7.3 UG7.4 UG7.5
G7p8: UG7.8 UG8.11
G7p9: C48.1 R42.2 UG7.9 UK7.10
G7p10: UG7.10 UL7.9
G8p3: UG8.3 UG8.4
G8p9: UG8.8 UG8.9 UG8.13
H0p5: UH0.5 UH1.6
H0p6: UH0.6 UJ1.2
H0p8: JP1.2 UH0.8
H0p10: JP3.2 UH0.10
H0p12: JP5.2 UH0.12
H1p5: UH1.5 UJ1.8
H1p11: UH1.4 UH1.11 UL7.3 UM7.3 UM7.11
H1p12: UH1.12 UP5.6
H1p13: UH1.13 UJ2.8
H2p1: UH2.1 UK7.2 UU5.5
H2p2: UH2.2
H2p4: UC4.5 UC5.3 UD4.11 UD5.5 UH2.4
H2p9: UD1.6 UH2.9 UT1.5
H2p12: UF7.2 UH2.3 UH2.5 UH2.12 UH3.4 UH5.12 UH7.2 UJ6.10
H3p2: UF4.9 UH3.2
H3p3: UE4.8 UE4.9 UH3.3
H3p5: UE5.1 UH3.5 UJ6.12
H3p9: UH3.6 UH3.9
H3p11: UH3.10 UH3.11
H4p2: R48.1 UH4.2
H4p3: UH4.3
H4p4: UG6.1 UH4.4
H4p5: UH4.5
H4p6: C11.1 UH4.6
H4p7: C11.2 R67.1 UH4.7
H4p10: UH4.10 UH6.11
H4p12: UG4.10 UH4.12 UH5.11
H4p13: UH4.13
H4p14: C56.2 UH4.14
H4p15: C56.1 R47.2 UH4.15
H5p1: UH5.1 UH6.8
H5p2: UH5.2 UT2.6
H5p3: UH5.3 UH6.6
H5p4: UH5.4
H5p5: UB8.2 UB8.3 UH5.5
H5p8: UG6.13 UH5.8
H5p10: UH5.10
H6p3: UH6.3 UH6.4 UH6.5
H7p1: UG7.6 UH7.1
H7p3: UH7.3 UJ7.12
H7p4: UH7.4
H7p6: UH7.6
H7p9: UH7.9
H7p10: UH7.10
H7p12: UH7.5 UH7.12
H7p13: UH7.13
HI DENS: J2.49 UP2.4
INTA: J1.40 R53.2 UE0.3
INTPIN: UE0.5 UH0.2 UJ0.1
IO PLS: J1.74 R33.2 UE0.1
IO RST: J1.70 R77.1 UB1.10
IO_RESET: UC5.2 UD2.4 UE4.12 UE7.12 UF1.10
J0p4: UJ0.4 UJ0.5 UJ1.5 UP1.2 UP1.4 UP1.12 UT1.2 UT1.12
J0p9: UJ0.9 UJ2.5 UJ2.12 UK1.12
J0p10: UH1.3 UJ0.10 UJ0.13
J1p1: UJ1.1 UK1.1 UL2.11 UL7.13
J1p4: UJ1.4
J1p9: UJ1.9
J1p10: UJ1.10
J2p6: UJ2.6
J2p9: UJ0.12 UJ2.3 UJ2.9 UP3.9
J2p10: UJ2.10 UM7.8 UN7.9
J2p13: UJ2.13 UM6.13
J3p3: UF3.14 UG3.1 UG3.10 UG3.13 UJ3.3
J3p4: UD8.1 UD8.2 UD8.9 UE4.11 UJ3.4
J3p5: UE5.2 UE5.6 UE6.1 UJ3.5
J3p6: UJ3.6 UJ6.1
J3p8: UJ3.8 UL7.11
J3p12: UE8.5 UF8.9 UJ3.12
J6p3: UJ6.3
J6p4: UJ6.4
J6p5: UJ6.5
J6p6: UJ6.6
J6p8: UJ6.8 UJ7.9
J6p13: UG7.2 UJ6.13
J7p1: UJ7.1
J7p2: UJ7.2
J7p3: UJ7.3
J7p4: UJ7.4
J7p5: UJ7.5
J7p6: C47.2 UJ7.6
J7p7: CR2.1 UJ7.7
J7p10: R69.1 UJ7.10
J7p11: UJ7.11
J7p13: UJ7.13
J7p14: UJ7.14
J7p15: UJ7.15
K0p1: C57.1 R57.2 UK0.1
K0p3: UK0.3 UT6.11
K0p5: C64.1 R76.2 UK0.5
K0p6: UK0.6 US6.11
K0p8: UK0.8 UR6.11
K0p10: C72.1 R4.2 UK0.10
K0p11: UK0.11 UP6.11
K0p13: C71.1 R75.2 UK0.13
K1p3: UK1.3 UK2.6
K1p4: UK1.4
K1p5: UK1.5 UM6.5 UP0.12
K1p8: UK1.8
K1p10: UH2.6 UK1.10
K1p11: UK1.11 UK2.1 UL2.3 UM2.1 UN3.1 UN5.1
K2p3: UK2.3
K2p4: UK2.4
K2p5: UK2.5
K5p1: UK5.1 UL5.4 UL6.1
K5p3: UK5.3 UL5.6 UL6.10
K5p5: UK5.5 UL5.7 UL6.13
K5p8: UK5.8
K5p9: UK5.9
K5p13: UK5.13 UL5.5 UL6.4
K6p1: UK6.1
K6p2: UK6.2 UK7.6
K6p3: UK6.3
K6p4: UK6.4 UU1.13
K6p6: C49.2 UK6.6
K6p7: C49.1 R40.2 UK6.7
K6p10: UK6.10 UK7.11
K6p11: UK6.11
K6p12: C48.2 UK6.12
K6p13: UK6.13
K6p14: C50.1 UK6.14
K6p15: C50.2 R41.1 UK6.15
K7p8: UK7.8 UK8.9
K7p9: UK7.9 UL7.8
K8p1: UK8.1 UM8.9 UM8.12
K8p4: UK8.4 UM8.6
K8p5: R22.2 UK8.5 UK8.6
L0p1: UL0.1 UL1.5 UL1.6
L0p4: UL0.4 UL1.2
L0p9: UJ3.9 UJ3.10 UJ3.11 UL0.9 UL1.12
L0p12: UL0.12 UL1.9
L0p13: UL0.2 UL0.5 UL0.10 UL0.13 UL2.6 UL3.2 UL3.5 UL3.10 UL3.13 UU0.2 UU0.5 UU0.10 UU0.13 UU3.2 UU3.5 UU3.10 UU3.13
L1p8: UB7.10 UG8.5 UG8.6 UK7.12 UL1.8 UM5.8 UU1.8
L2p2: UL2.1 UL2.2 UN6.1
L2p10: UL2.10
L2p13: UL2.13
L3p1: UL3.1 UL4.5 UL4.6
L3p4: UL3.4 UL4.2 UL5.2
L3p9: UL3.9 UL4.12 UL5.3
L3p12: UL3.12 UL4.9
L5p9: UL5.9
L5p10: UL5.10
L5p11: UL5.11
L5p12: UL5.12
L5p13: UL5.13
L5p14: UL5.14
L5p15: UL5.15
L6p3: UL6.3 UP6.4
L6p6: UL6.6 UR6.4
L6p8: UL6.8 US6.4
L7p1: UL7.1 UM7.1 UM7.13
L7p4: UL7.4
M0p1: UM0.1 UM1.5 UM1.6
M0p4: UM0.4 UM1.2
M0p9: UM0.9 UM1.12 UV1.8
M0p12: UM0.12 UM1.9
M2p2: UF6.6 UM2.2 UN5.2 UN6.8 UN6.9 UR5.8 US2.8
M2p3: UM2.3 UW1.9
M2p4: UM2.4 UW1.10
M2p6: UM2.6 UW1.15
M2p7: UM2.7
M2p9: UM2.9 UN5.10 US2.9
M2p10: UM2.10
M3p1: UM3.1 UM4.5 UM4.6
M3p12: UM3.12 UM4.9
M5p1: UM5.1
M5p2: UM5.2
M5p3: UM5.3
M5p4: UM5.4
M5p5: UM5.5 UN5.9
M5p9: UM5.9 UT7.1 UT7.12
M5p10: UM5.10
M5p11: UM5.11
M5p12: UM5.12
M5p13: UM5.13
M6p2: UM6.2 UM6.3 UM6.4
M6p6: UM6.6 UN7.8
M6p8: UM6.8 UN6.13
M6p11: UM6.10 UM6.11
M7p4: UM7.4
M7p6: UM7.6 UN7.10
M7p10: UM7.10
M8p1: UM8.1
M8p2: UM8.2
M8p3: UM8.3
M8p4: UM8.4
M8p8: UM8.8
M8p11: UM8.11
M8p14: UM8.14
M8p15: UM8.15
M8p16: UM8.16
MSKO: UH0.4 UJ1.11
N0p2: UN0.2 UN7.13
N1p1: UN1.1
N1p4: R78.1 UN1.4 UN1.13 UN4.4 UN4.13 UT1.8 UW1.4 UW1.13 UW4.4 UW4.13
N1p8: UN1.8
N1p9: UM2.11 UN1.9
N1p10: UM2.12 UN1.10
N1p11: UN1.11
N1p14: UN1.14
N1p15: UM2.14 UN1.15
N1p16: UM2.13 UN1.16
N2p1: UN2.1
N2p8: UN2.8
N2p9: UN2.9 UR2.7
N2p10: UN2.10 UR2.6
N2p11: UN2.11
N2p14: UN2.14
N2p15: UN2.15 UR2.3
N2p16: UN2.16 UR2.2
N3p4: UN3.4
N4p1: UN4.1
N4p8: UN4.8
N4p9: UN4.9 UN5.3
N4p10: UN4.10 UN5.4
N4p11: UN4.11
N4p14: UN4.14
N4p15: UN4.15 UN5.6
N4p16: UN4.16 UN5.5
N5p7: UN5.7
N5p11: UN5.11 UW4.9
N5p12: UN5.12 UW4.10
N5p13: UN5.13 UW4.16
N5p14: UN5.14 UW4.15
N6p3: UN6.3 UN6.4
N6p10: UN6.2 UN6.10
N7p1: UN7.1
N7p2: UN7.2
N7p4: UN7.4
N7p5: UN7.5
N7p6: UN7.6
N7p12: UL7.6 UN7.12
OS2: J1.90
OVFLO: J2.39
P0p1: UM6.1 UP0.1
P0p4: UM7.9 UP0.4
P0p9: UL7.5 UP0.9
P1p3: JP8.2 UP1.3
P1p6: JP7.2 UP1.6
P2p1: UP2.1 UW2.16
P2p3: UP2.3 UW2.15
P2p5: UP2.5 UR2.10
P2p11: UP2.11 UR2.15
P2p13: UP2.13 UR2.16
P3p1: UP3.1 UP5.4 US6.3 US6.9
P3p4: UP3.4 UP5.2 UP6.3 UP6.9
P4p3: UP4.3 UT6.13
P5p3: UP5.3
P5p8: UN6.5 UN6.6 UP5.8
P5p9: UP5.9 UP7.1 UP7.12
P5p10: UP5.10 UP7.11 UR7.14
P5p11: UP5.11
P5p12: UP5.12 UP7.9
P5p13: UP5.13 UP7.8
P6p6: UP6.6
P6p8: UP6.8
P6p10: UP6.10
P7p3: UH2.13 UK6.5 UP7.2 UP7.3 UR7.2 UR7.3 US7.2 US7.3 UT7.2 UT7.3
Q1p1: C8.2 C9.1 Q1.1 R23.1 R24.2
Q1p2: Q1.2 R20.1 R21.2
Q1p3: C9.2 Q1.3 R22.1 R25.1 Y1.1
R0p1: UR0.1 UR1.10
R0p4: UR0.4 UR1.9
R0p9: UR0.9 UR1.16
R0p12: UR0.12 UR1.15
R0p13: R85.1 UP1.8 UR0.2 UR0.5 UR0.10 UR0.13 UR3.2 UR3.5 UR3.10 UR3.13 US0.2 US0.5 US0.10 US0.13 US3.2 US3.5 US3.10 US3.13
R1p1: UR1.1
R1p2: UR1.2 US2.6
R1p3: UR1.3 US2.4
R1p4: UN3.2 UR1.4 UR1.13 UR4.4 UR4.13 US1.4 US1.13 US4.4 US4.13
R1p6: UR1.6 US2.3
R1p7: UR1.7 US2.5
R1p8: UR1.8
R1p11: UR1.11
R1p14: UR1.14
R2p1: UR2.1
R2p8: UR2.8
R2p9: UP2.9 UR2.9
R2p11: UR2.11
R2p13: UR2.13
R2p14: UR2.14
R3p1: UR3.1 UR4.10
R3p4: UR3.4 UR4.9
R3p9: UR3.9 UR4.16
R3p12: UR3.12 UR4.15
R4p1: UR4.1
R4p2: UR4.2 UR5.13
R4p3: UR4.3 UR5.11
R4p6: UR4.6 UR5.10
R4p7: UR4.7 UR5.12
R4p8: UR4.8
R4p11: UR4.11
R4p14: UR4.14
R5p2: UR5.2
R5p9: UR5.9
R6p6: UR6.6
R6p8: UR6.8
R6p10: UR6.10
R7p8: UR7.8
R7p9: UR7.9
R7p11: UR7.11 US7.14
R7p12: UR7.1 UR7.12
R10p2: R10.2 UC1.1
RB0: J2.31
RB1: J2.40 R62.1 R66.1 UU2.12
RB2: J2.25 UP2.10
RB3: J2.27 UP2.12
RB4: J2.13 UK5.12
RB5: J2.15 UK5.2
RB6: J2.19 UP2.8
RB7: J2.23 UP2.6
RBP: J2.38 R59.1 R65.1 UU2.4
RESET: R26.2 SW1.1
RQENB: UE1.11 UF0.6 UJ1.3
RWND T: J2.69 UW6.4
RWNDG: J2.11 UK5.6
S0p1: US0.1 US1.10
S0p4: US0.4 US1.9
S0p9: US0.9 US1.16
S0p12: US0.12 US1.15
S1p1: US1.1
S1p2: UR5.1 US1.2 US2.13
S1p3: US1.3 US2.11
S1p6: US1.6 US2.10
S1p7: US1.7 US2.12
S1p8: US1.8
S1p11: US1.11
S1p14: US1.14
S3p1: US3.1 US4.10
S3p4: US3.4 US4.9
S3p9: US3.9 US4.16
S3p12: US3.12 US4.15
S4p1: US4.1
S4p2: UR5.6 US4.2
S4p3: UR5.4 US4.3
S4p6: UR5.3 US4.6
S4p7: UR5.5 US4.7
S4p8: US4.8
S4p11: US4.11
S4p14: US4.14
S6p6: US6.6
S6p8: US6.8
S6p10: US6.10
S6p12: US6.5 US6.12 UT3.1
S7p8: US7.8
S7p9: US7.9
S7p11: US7.11 UT7.14
S7p12: US7.1 US7.12
SEL EN: J1.76
SPARE: J1.79 R34.2 R56.1 R75.1 UK0.12
